# Altium PCB kondratchenko_telemetry_board.PcbDoc (part 1 of 2) (continued)
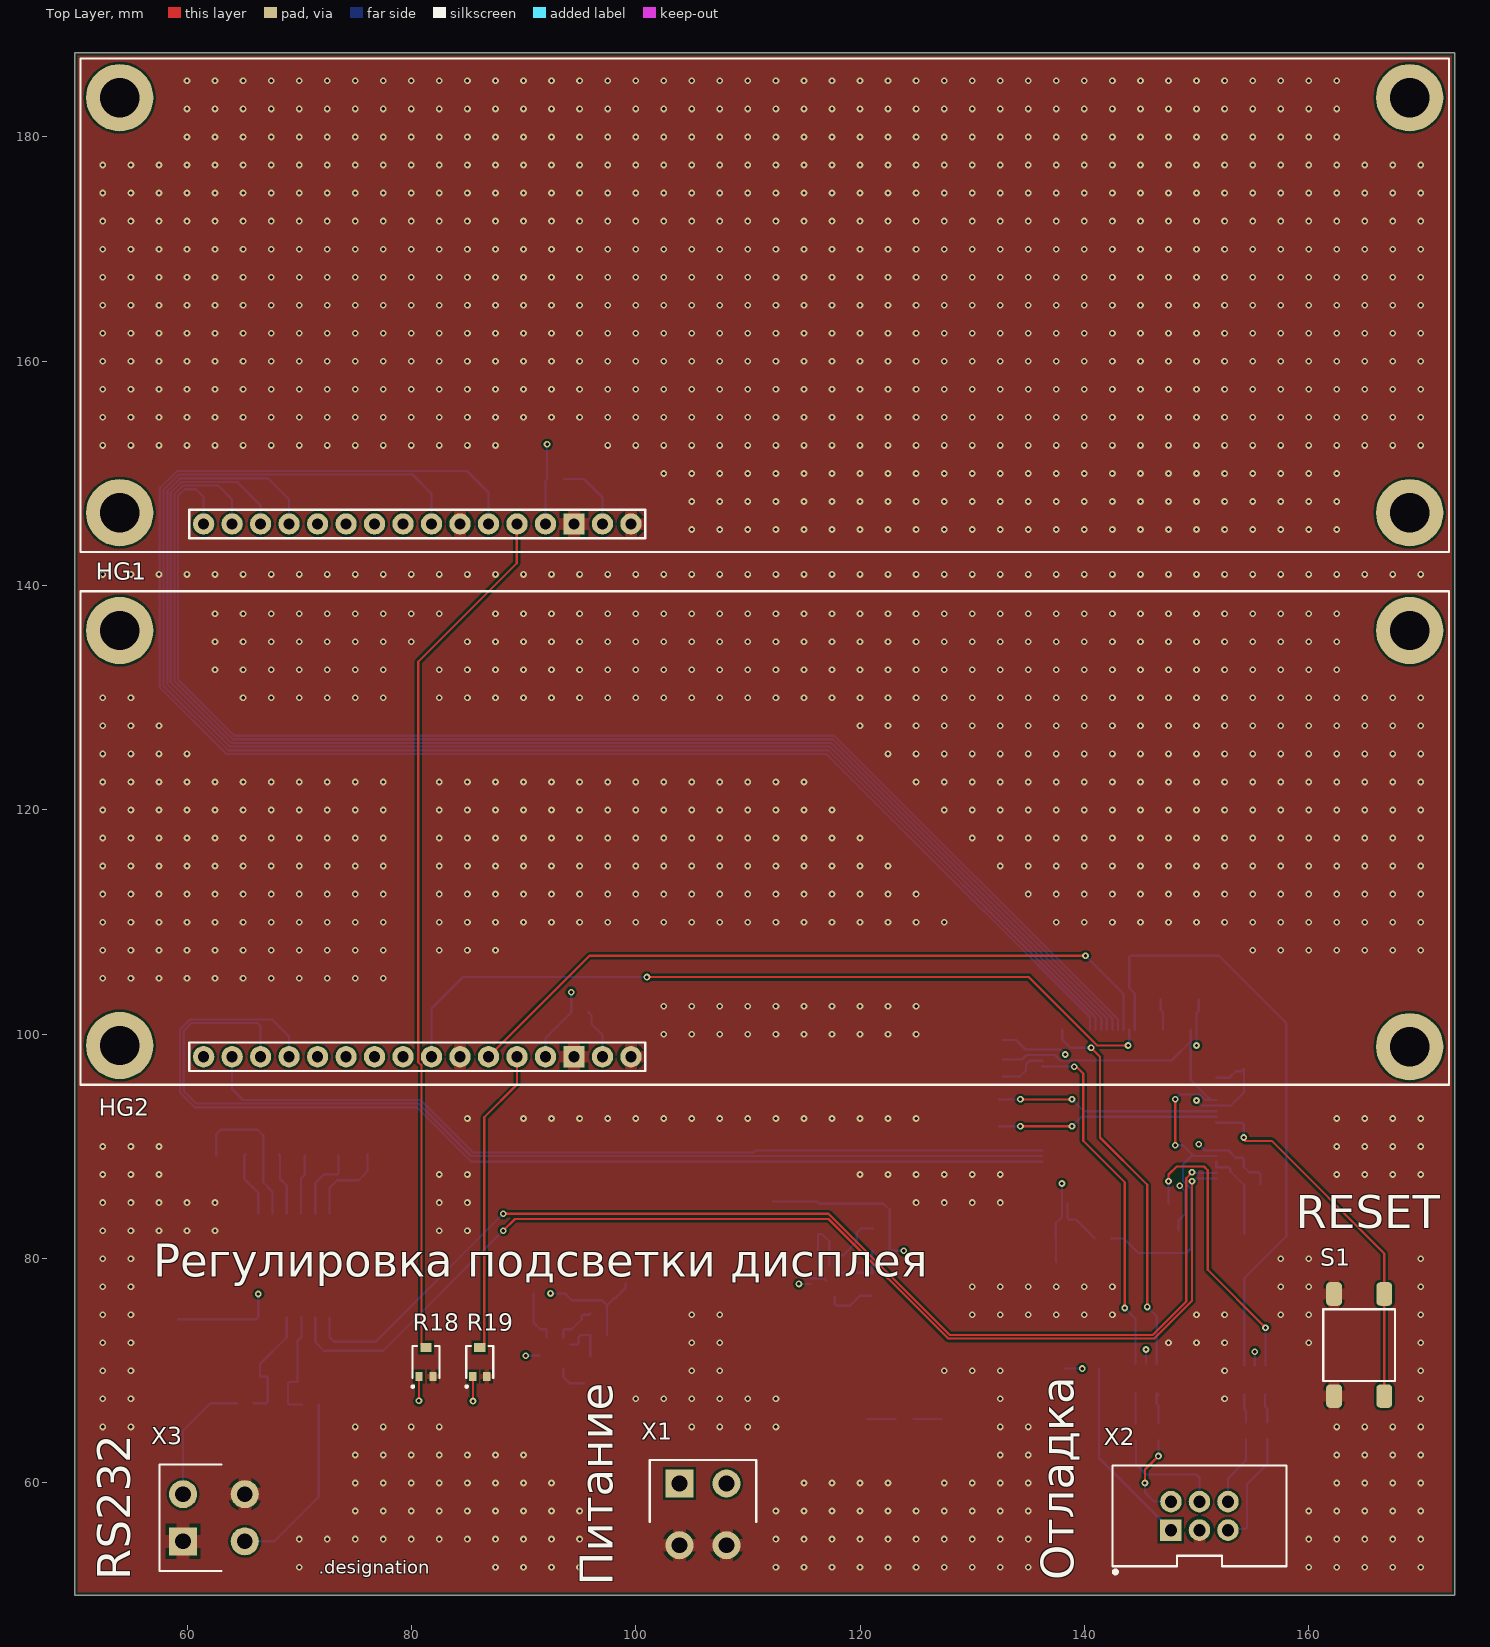
[diagram p0: Top Layer view]
## Design rules (kind name [scope] priority, off if disabled: settings)
AcuteAngle min_acute_angle [OnCopper] p1: minimum=3.50000000000000E+0001 checktracksonly=FALSE // Минимальный угол между примитивами топологии
BoardOutlineClearance board_outline_clearance_std [NOT (OnLayer('Bottom Overlay') OR OnLayer('Top Overlay'))] p1: gap=0.25 ignorepadtopadclearanceinfootprint=FALSE except(0: Arc-SplitContinuation Track-SplitContinuation SMDPad-SplitContinuation THPad-SplitContinuation Via-SplitContinuation Fill-SplitContinuation Poly-SplitContinuation Region-SplitContinuation Text-SplitContinuation) // Отступ элементов топологии от края фрезеруемой печатной платы
Clearance clearance_outer_18um_std [OnTopLayer OR OnBottomLayer] p1: gap=0.125 ignorepadtopadclearanceinfootprint=TRUE except(0.2: Arc-Fill Arc-Poly Track-Fill Track-Poly SMDPad-SMDPad SMDPad-Fill SMDPad-Poly THPad-Fill THPad-Poly Via-Fill Via-Poly Fill-Fill Fill-Poly Poly-Poly Poly-Region Poly-Text; 0.25: Arc-Hole Track-Hole SMDPad-Hole THPad-Hole Via-Hole Fill-Hole Poly-Hole Region-Hole Text-Hole) // Зазоры на внешних слоях
Clearance clearance_inner_18um_std [NOT (OnTopLayer Or OnBottomLayer)] p2: gap=0.125 ignorepadtopadclearanceinfootprint=FALSE except(0.2: Arc-Fill Arc-Poly Track-Fill Track-Poly SMDPad-SMDPad SMDPad-Fill SMDPad-Poly THPad-Fill THPad-Poly Via-Fill Via-Poly Fill-Fill Fill-Poly Poly-Poly Poly-Region Poly-Text; 0.25: Arc-Hole Track-Hole SMDPad-Hole THPad-Hole Via-Hole Fill-Hole Poly-Hole Region-Hole Text-Hole) // Зазоры на внутренних слоях
ComponentClearance [All] p1: gap=0 collisioncheckmode=3 verticalgap=0 showdistances=FALSE
DiffPairsRouting "Schematic Differential Pairs Routing_1" [InNet('UART_RX')] p1: maxlimit=0.254 minlimit=0.15 mostfreqgap=0.254 toplayer_prefgap=0.15 toplayer_minwidth=0.155 toplayer_maxwidth=0.381 toplayer_prefwidth=0.25 midlayer1_mingap=0.254 midlayer1_minwidth=0.381 midlayer1_maxwidth=0.381 midlayer1_prefwidth=0.381 midlayer2_mingap=0.254 midlayer2_minwidth=0.381 midlayer2_maxwidth=0.381 midlayer2_prefwidth=0.381 bottomlayer_prefgap=0.15 bottomlayer_minwidth=0.155 bottomlayer_maxwidth=0.381 bottomlayer_prefwidth=0.25 maxuncoupledlength=12.7
DiffPairsRouting diff_pairs_routing [All] p2: maxlimit=0.254 minlimit=0.127 mostfreqgap=0.254 toplayer_maxgap=0.127 toplayer_prefgap=0.127 toplayer_minwidth=0.143 toplayer_maxwidth=0.143 toplayer_prefwidth=0.143 midlayer1_minwidth=0.381 midlayer1_maxwidth=0.381 midlayer1_prefwidth=0.381 midlayer2_minwidth=0.381 midlayer2_maxwidth=0.381 midlayer2_prefwidth=0.381 bottomlayer_maxgap=0.127 bottomlayer_prefgap=0.127 bottomlayer_minwidth=0.143 bottomlayer_maxwidth=0.143 bottomlayer_prefwidth=0.143 impedanceprofiledriven=TRUE impedanceprofileid={FD46899E-B5A2-4EF5-A302-5D2DB6A51F35} maxuncoupledlength=12.7 // Правила трассировки дифференциальных пар
HoleSize min_hole_size_std [IsPad] p1: absolutevalues=TRUE maxlimit=5.9 minlimit=0.6 maxpercent=80.000 minpercent=20.000 // Диаметр межслойного переходного отверстия
HoleSize min_hole_size_via_std [IsVia] p2: absolutevalues=TRUE maxlimit=5.9 minlimit=0.3 maxpercent=80.000 minpercent=20.000 // Минимальный диаметр монтажного отверстия
HoleToHoleClearance hole_to_hole_clearance_std [All] p1: gap=0.2 allowstackedmicrovias=FALSE // Минимальное расстояние между краями двух отверстий
MinimumAnnularRing min_via_ar_std [All] p1: minimumring=0.15 // Поясок площадки переходного отверстия (Annular ring VIA)
MinimumAnnularRing min_pad_ar_std [All] p2: minimumring=0.2 // Поясок монтажной контактной площадки (Annular ring PAD)
MinimumSolderMaskSliver min_solder_mask_bridge_std [All] p1: minsoldermaskwidth=0.15 // Мнимальная ширина масочного мостика
PlaneClearance plane_clearance_18um_std [All] p1: clearance=0.2 // Отступ полигона (для слоя plane) от элементов топологии
PlaneConnect [All] p1: planeconnectstyle=Relief reliefexpansion=0.5 reliefentries=4 reliefconductorwidth=0.2 reliefairgap=0.2
PolygonConnect poly_connect_to_pad<=0.3 [(AsMM(PadXSize_AllLayers)<=0.301) or (AsMM(PadYSize_AllLayers)<=0.301)] p1: thpad.connectstyle=Relief thpad.reliefconductorwidth=0.2 thpad.reliefentries=4 thpad.polygonreliefangle="90 Angle" thpad.airgapwidth=0.2 smdpad.connectstyle=Relief smdpad.reliefconductorwidth=0.2 smdpad.reliefentries=4 smdpad.polygonreliefangle="90 Angle" smdpad.airgapwidth=0.2 via.connectstyle=Direct via.reliefconductorwidth=0.254 via.reliefentries=4 via.polygonreliefangle="90 Angle" via.airgapwidth=0.254 // Правила подключения полигонов для падов от 0,3мм и меньше
PolygonConnect poly_connect_to_pad<=0.4 [(AsMM(PadXSize_AllLayers)<=0.401) or (AsMM(PadYSize_AllLayers)<=0.401)] p2: thpad.connectstyle=Relief thpad.reliefconductorwidth=0.26 thpad.reliefentries=4 thpad.polygonreliefangle="90 Angle" thpad.airgapwidth=0.2 smdpad.connectstyle=Relief smdpad.reliefconductorwidth=0.26 smdpad.reliefentries=4 smdpad.polygonreliefangle="90 Angle" smdpad.airgapwidth=0.2 via.connectstyle=Direct via.reliefconductorwidth=0.254 via.reliefentries=4 via.polygonreliefangle="90 Angle" via.airgapwidth=0.254 // Правила подключения полигонов для падов от 0,4 и меньше
PolygonConnect poly_connect_to_pad<=0.6 [(AsMM(PadXSize_AllLayers)<=0.601) or (AsMM(PadYSize_AllLayers)<=0.601)] p3: thpad.connectstyle=Relief thpad.reliefconductorwidth=0.33 thpad.reliefentries=4 thpad.polygonreliefangle="90 Angle" thpad.airgapwidth=0.2 smdpad.connectstyle=Relief smdpad.reliefconductorwidth=0.33 smdpad.reliefentries=4 smdpad.polygonreliefangle="90 Angle" smdpad.airgapwidth=0.2 via.connectstyle=Direct via.reliefconductorwidth=0.254 via.reliefentries=4 via.polygonreliefangle="90 Angle" via.airgapwidth=0.254 // Правила подключения полигонов для падов от 0,6мм и меньше
PolygonConnect poly_connect_to_pad<=0.7 [(AsMM(PadXSize_AllLayers)<=0.701) or (AsMM(PadYSize_AllLayers)<=0.701)] p4: thpad.connectstyle=Relief thpad.reliefconductorwidth=0.46 thpad.reliefentries=4 thpad.polygonreliefangle="90 Angle" thpad.airgapwidth=0.2 smdpad.connectstyle=Relief smdpad.reliefconductorwidth=0.46 smdpad.reliefentries=4 smdpad.polygonreliefangle="90 Angle" smdpad.airgapwidth=0.2 via.connectstyle=Direct via.reliefconductorwidth=0.254 via.reliefentries=4 via.polygonreliefangle="90 Angle" via.airgapwidth=0.254 // Правила подключения полигонов для падов от 0,7мм и меньше
PolygonConnect poly_connect_to_pad<=0.8 [(AsMM(PadXSize_AllLayers)<=0.8)or(AsMM(PadYSize_AllLayers)<=0.8)] p5: thpad.connectstyle=Relief thpad.reliefconductorwidth=0.53 thpad.reliefentries=4 thpad.polygonreliefangle="90 Angle" thpad.airgapwidth=0.3 smdpad.connectstyle=Relief smdpad.reliefconductorwidth=0.53 smdpad.reliefentries=4 smdpad.polygonreliefangle="90 Angle" smdpad.airgapwidth=0.2 via.connectstyle=Direct via.reliefconductorwidth=0.254 via.reliefentries=4 via.polygonreliefangle="90 Angle" via.airgapwidth=0.254 // Правила подключения полигонов для падов от 0,8мм и меньше
PolygonConnect poly_connect_to_pad<=1 [(AsMM(PadXSize_AllLayers)<=1.01)or(AsMM(PadYSize_AllLayers)<=1.01)] p6: thpad.connectstyle=Relief thpad.reliefconductorwidth=0.6 thpad.reliefentries=4 thpad.polygonreliefangle="90 Angle" thpad.airgapwidth=0.3 smdpad.connectstyle=Relief smdpad.reliefconductorwidth=0.6 smdpad.reliefentries=4 smdpad.polygonreliefangle="90 Angle" smdpad.airgapwidth=0.2 via.connectstyle=Direct via.reliefconductorwidth=0.254 via.reliefentries=4 via.polygonreliefangle="90 Angle" via.airgapwidth=0.254 // Правила подключения полигонов для падов от 1мм и меньше
PolygonConnect poly_connect_to_pad<=1.3 [(AsMM(PadXSize_AllLayers)<=1.31)or(AsMM(PadYSize_AllLayers)<=1.31)] p7: thpad.connectstyle=Relief thpad.reliefconductorwidth=0.66 thpad.reliefentries=4 thpad.polygonreliefangle="90 Angle" thpad.airgapwidth=0.3 smdpad.connectstyle=Relief smdpad.reliefconductorwidth=0.86 smdpad.reliefentries=4 smdpad.polygonreliefangle="90 Angle" smdpad.airgapwidth=0.2 via.connectstyle=Direct via.reliefconductorwidth=0.254 via.reliefentries=4 via.polygonreliefangle="90 Angle" via.airgapwidth=0.254 // Правила подключения полигонов для падов от 1,3мм и меньше
PolygonConnect poly_connect_to_pad<=1.6 [(AsMM(PadXSize_AllLayers)<=1.61)or(AsMM(PadYSize_AllLayers)<=1.61)] p8: thpad.connectstyle=Relief thpad.reliefconductorwidth=0.8 thpad.reliefentries=4 thpad.polygonreliefangle="90 Angle" thpad.airgapwidth=0.3 smdpad.connectstyle=Relief smdpad.reliefconductorwidth=1 smdpad.reliefentries=4 smdpad.polygonreliefangle="90 Angle" smdpad.airgapwidth=0.2 via.connectstyle=Direct via.reliefconductorwidth=0.254 via.reliefentries=4 via.polygonreliefangle="90 Angle" via.airgapwidth=0.254 // Правила подключения полигонов для падов от 1,6мм и меньше
PolygonConnect poly_connect_to_pad<=1.8 [(AsMM(PadXSize_AllLayers)<=1.8)or(AsMM(PadYSize_AllLayers)<=1.8)] p9: thpad.connectstyle=Relief thpad.reliefconductorwidth=1 thpad.reliefentries=4 thpad.polygonreliefangle="90 Angle" thpad.airgapwidth=0.3 smdpad.connectstyle=Relief smdpad.reliefconductorwidth=1.2 smdpad.reliefentries=4 smdpad.polygonreliefangle="90 Angle" smdpad.airgapwidth=0.2 via.connectstyle=Direct via.reliefconductorwidth=0.254 via.reliefentries=4 via.polygonreliefangle="90 Angle" via.airgapwidth=0.254 // Правила подключения полигонов для падов от 1,8мм и меньше
PolygonConnect poly_connect_to_pad<=2 [(AsMM(PadXSize_AllLayers)<=2.01)or(AsMM(PadYSize_AllLayers)<=2.01)] p10: thpad.connectstyle=Relief thpad.reliefconductorwidth=1.1 thpad.reliefentries=4 thpad.polygonreliefangle="90 Angle" thpad.airgapwidth=0.3 smdpad.connectstyle=Relief smdpad.reliefconductorwidth=1.4 smdpad.reliefentries=4 smdpad.polygonreliefangle="90 Angle" smdpad.airgapwidth=0.2 via.connectstyle=Direct via.reliefconductorwidth=0.254 via.reliefentries=4 via.polygonreliefangle="90 Angle" via.airgapwidth=0.254 // Правила подключения полигонов для падов от 2мм и меньше
PolygonConnect poly_connect_to_pad<=2.3 [(AsMM(PadXSize_AllLayers)<=2.31)or(AsMM(PadYSize_AllLayers)<=2.31)] p11: thpad.connectstyle=Relief thpad.reliefconductorwidth=1.2 thpad.reliefentries=4 thpad.polygonreliefangle="90 Angle" thpad.airgapwidth=0.3 smdpad.connectstyle=Relief smdpad.reliefconductorwidth=1.4 smdpad.reliefentries=4 smdpad.polygonreliefangle="90 Angle" smdpad.airgapwidth=0.2 via.connectstyle=Direct via.reliefconductorwidth=0.254 via.reliefentries=4 via.polygonreliefangle="90 Angle" via.airgapwidth=0.254 // Правила подключения полигонов для падов от 2,3мм и меньше
PolygonConnect poly_connect_to_pad<=2.5 [(AsMM(PadXSize_AllLayers)<=2.51)or(AsMM(PadYSize_AllLayers)<=2.51)] p12: thpad.connectstyle=Relief thpad.reliefconductorwidth=1.2 thpad.reliefentries=4 thpad.polygonreliefangle="90 Angle" thpad.airgapwidth=0.3 smdpad.connectstyle=Relief smdpad.reliefconductorwidth=1.4 smdpad.reliefentries=4 smdpad.polygonreliefangle="90 Angle" smdpad.airgapwidth=0.2 via.connectstyle=Direct via.reliefconductorwidth=0.254 via.reliefentries=4 via.polygonreliefangle="90 Angle" via.airgapwidth=0.254 // Правила подключения полигонов для падов от 2,5мм и меньше
PolygonConnect poly_connect_to_pad<=2.7 [(AsMM(PadXSize_AllLayers)<=2.71)or(AsMM(PadYSize_AllLayers)<=2.71)] p13: thpad.connectstyle=Relief thpad.reliefconductorwidth=1.4 thpad.reliefentries=4 thpad.polygonreliefangle="90 Angle" thpad.airgapwidth=0.3 smdpad.connectstyle=Relief smdpad.reliefconductorwidth=1.6 smdpad.reliefentries=4 smdpad.polygonreliefangle="90 Angle" smdpad.airgapwidth=0.2 via.connectstyle=Direct via.reliefconductorwidth=0.254 via.reliefentries=4 via.polygonreliefangle="90 Angle" via.airgapwidth=0.254 // Правила подключения полигонов для падов от 2,7мм и меньше
PolygonConnect poly_connect_to_pad<=3 [(AsMM(PadXSize_AllLayers)<=3.01)or(AsMM(PadYSize_AllLayers)<=3.01)] p14: thpad.connectstyle=Relief thpad.reliefconductorwidth=1.6 thpad.reliefentries=4 thpad.polygonreliefangle="90 Angle" thpad.airgapwidth=0.3 smdpad.connectstyle=Relief smdpad.reliefconductorwidth=1.8 smdpad.reliefentries=4 smdpad.polygonreliefangle="90 Angle" smdpad.airgapwidth=0.2 via.connectstyle=Direct via.reliefconductorwidth=0.254 via.reliefentries=4 via.polygonreliefangle="90 Angle" via.airgapwidth=0.254 // Правила подключения полигонов для падов от 3мм и меньше
PolygonConnect poly_connect_to_pad<=7 [(AsMM(PadXSize_AllLayers)<7.01)or(AsMM(PadYSize_AllLayers)<=7.01)] p15: thpad.connectstyle=Relief thpad.reliefconductorwidth=2 thpad.reliefentries=4 thpad.polygonreliefangle="90 Angle" thpad.airgapwidth=0.4 smdpad.connectstyle=Relief smdpad.reliefconductorwidth=2 smdpad.reliefentries=4 smdpad.polygonreliefangle="90 Angle" smdpad.airgapwidth=0.3 via.connectstyle=Direct via.reliefconductorwidth=0.254 via.reliefentries=4 via.polygonreliefangle="90 Angle" via.airgapwidth=0.254 // Правила подключения полигонов для падов от 7мм и меньше
PolygonConnect poly_connect_to_pad [All] p16: thpad.connectstyle=Relief thpad.reliefconductorwidth=0.25 thpad.reliefentries=4 thpad.polygonreliefangle="90 Angle" thpad.airgapwidth=0.2 smdpad.connectstyle=Relief smdpad.reliefconductorwidth=0.25 smdpad.reliefentries=4 smdpad.polygonreliefangle="90 Angle" smdpad.airgapwidth=0.2 via.connectstyle=Direct via.reliefconductorwidth=0.25 via.reliefentries=4 via.polygonreliefangle="90 Angle" via.airgapwidth=0.2 // Правила подключения полигонов общие
RoomDefinition kondratchenko_telemetry_board [InComponentClass('kondratchenko_telemetry_board')] p1: confinementstyle=ConfineIn formatcopy=TRUE lockcomponents=FALSE outline 0,0 50.8,0 50.8,25.4 0,25.4
RoutingCorners [All] p1 off: cornerstyle=45-Degree minsetback=2.5 maxsetback=2.5
RoutingVias [All] p1: holewidth=0.3 width=0.6 viastyle="Through Hole" minholewidth=0.3 minwidth=0.6 maxholewidth=5.9 maxwidth=6.4
SilkToSilkClearance silk_to_silk_clearance_std [All] p1 off: silktosilkclearance=0.15 // Отступ текста шелкографии от других примитивов шелкографии
SilkToSolderMaskClearance silk_to_solder_mask_clearance_std [IsPad] p1 off: minsilkscreentomaskgap=0.15 clearancetoexposedcopper=FALSE // Минимальное расстояние между элементами шелкографии и вскрытой медью
SolderMaskExpansion solder_mask_expansion_std [All] p1: expansion=0.05 // Припуск паяльной масски
UnRoutedNet [All] p1: checkbadconnections=TRUE
Width width_18um_std [All] p1: maxlimit=10 minlimit=0.125 preferedwidth=0.15 checkconnectedcopper=TRUE // Ширина проводников (общая)
19 further rules are at their usual default settings.

## Components (designator, comment, footprint, x,y, rotation, side; value= is the part's Value field where it differs from the comment)
BQ1 "CSTNE8M00G520000R0" CSTCE-3-P120-320X130X70 132.4,93 r90 bottom
C1 "2,2 мк" C0603 114,70.7 r180 bottom
C2 "1 мк" C3216-18 66.7,89.3 r0 bottom
C3 "0,1 мк" C0603 114,72.7 r180 bottom
C4 "1 мк" C3216-18 72,89.2 r0 bottom
C5 "20" C0603 121.75,76.7 r0 bottom
C6 "1 мк" C3216-18 61.1,89.2 r180 bottom
C7 "1 мк" C3216-18 77.6,89.3 r0 bottom
C8 "0,1 мк" C3216-18 59.2,76.1 r90 bottom
C9 "1 мк" C3216-18 62.9,76.1 r90 bottom
C10 "22 мк" C1206 112.2,83.6 r270 bottom
C11 "2,2 мк" C0603 90.6,65.1 r180 bottom
C12 "0,1 мк" C0603 90.55,67.4 r180 bottom
C13 "0,1 мк" C0603 154.95,92 r180 bottom
C14 "20" C0603 96.15,68.9 r0 bottom
C15 "22 мк" C1206 97.6,77.8 r0 bottom
C16 "4,7 мк" C0603 136.75,79.7 r180 bottom
C17 "0,1 мк" C0603 132.7,100.25 r90 bottom
C18 "0,1 мк" C0603 136.7,81.9 r180 bottom
C19 "0,1 мк" C0603 154.95,88.9 r0 bottom
C20 "0,1 мк" C0603 155,94.9 r0 bottom
C21 "1 мк" C0603 155,84.4 r0 bottom
C22 "0,1 мк" C0603 147.65,82.5 r180 bottom
C23 "0,1 мк" C0603 150.2,103.85 r90 bottom
C24 "1 мк" C0603 154.95,96.9 r0 bottom
C25 "0,1 мк" C0603 155,82.2 r0 bottom
C26 "2,2 мк" C0603 132.7,97 r90 bottom
C27 "2,2 мк" C0603 141.65,81.8 r0 bottom
DD1 "MAX232DW" SOIC-16-P127-1030X750X265-L84X41 70.8,79.4 r270 bottom
DD2 "TLV62130ARGTT" WQFN-16-P50-300X300X100-L40X24-T168X168 117,78 r270 bottom
DD3 "STM32F429VIT6" LQFP-100-P50-1400X1400X160-L60X22 144,92.65 r180 bottom
DD4 "TLV62130ARGTT" WQFN-16-P50-300X300X100-L40X24-T168X168 92.8,71.6 r270 bottom
HG1 "JHD162G B/W" "JHD162G B/W" 112.5,165 r0 top
HG2 "JHD162G B/W" "JHD162G B/W" 112.5,117.5 r0 top
HL1 "TLMS1000-GS08" HL0603 124,65.7 r0 bottom
L1 "XFL4020-222MEC" XFL-2-400X400X210 116.3,83.6 r90 bottom
L2 "XFL4020-222MEC" XFL-2-400X400X210 92.3,76.9 r0 bottom
L3 "FCM1608KF-601T03" FCM-2-0603 154.96,86.6 r180 bottom
R1 "750" R0603 128,65.7 r180 bottom
R2 "22" R0603 65.2,67.1 r0 bottom
R3 "10 к" R0603 140.55,67.3 r180 bottom
R4 "22" R0603 71,67 r180 bottom
R5 "22" R0603 146.6,64.55 r90 bottom
R6 "22" R0603 144.6,64.55 r90 bottom
R7 "22" R0603 156.3,64.65 r90 bottom
R8 "22" R0603 154.4,64.65 r270 bottom
R9 "100 к" R0603 121.9,82.7 r0 bottom
R10 "910 к" R0603 121.9,80.7 r0 bottom
R11 "180 к" R0603 121.85,78.7 r180 bottom
R12 "10 к" R0603 146.8,103.9 r270 bottom
R13 "100 к" R0603 96.7,75.1 r0 bottom
R14 "910 к" R0603 96.7,73.2 r0 bottom
R15 "180 к" R0603 96.7,71.3 r180 bottom
R16 "560" R0603 95,102 r0 bottom
R17 "560" R0603 92.85,149.5 r0 bottom
R18 "10к" R3362 81.3,70.8 r90 top
R19 "10к" R3362 86.1,70.8 r90 top
S1 "FSM4JSMA" FSM4JSMA 164.5,72.3 r270 top
VD1 "SD12C-01FTG" SOD-323-257X130X114 65.35,69.5 r180 bottom
VD2 "SD12C-01FTG" SOD-323-257X130X114 71,69 r0 bottom
VD3 "MBR0530T1G" SOD-123-368X160X135 119,65.7 r0 bottom
VD4 "1.5SMC62CA" DO-214AB-790X590X262 120,71.7 r180 bottom
VD5 "MBR140SFT1G" SOD-123FL-370X165X98 139.8,70.2 r180 bottom
VD6 "TPD2S017DBVR" SOT-23-6-P95-290X280X145 145.5,69.3 r90 bottom
VD7 "TPD2S017DBVR" SOT-23-6-P95-290X280X145 155.2,69.2 r90 bottom
X1 "4-1775099-0" 4-1775099-0 106,57.3 r0 top
X2 "DS1013-06SSiB1-B-0" DS1013-06SSiB1-B-0 150.26,57.07 r0 top
X3 "4-1775099-0" 4-1775099-0 62.3,56.9 r90 top

## Footprints (in the part's own frame and the unit in brackets; to place one, negate y for a bottom-side part, rotate by r counter-clockwise, add the part's x,y. Pads: shape width x height; smd on the part's side, far side on the other; paste and mask are expansions set on the pad)
4-1775099-0 [mm] "ATX Power 4 Pins Mount Header, V/A Type"
  rect 2.5x2.5 hole 1.4: 1(-2.1,2.65)
  round 2.5 hole 1.4: 2(2.1,2.65) 3(-2.1,-2.85) 4(2.1,-2.85)
  silkscreen extent -4.75,-0.75 4.75,4.75, body extent -5.1,-6.1 4.75,4.8, height 12.8
C0603 [mm] "Chip Capacitor, 2-Leads, Body 1,60x0,80mm, IPC Medium Density"
  rrect50% 0.8x0.9 smd: 1(-0.75,0) 2(0.75,0)
  silkscreen extent -1.45,-0.75 1.45,0.75, body extent -0.8,-0.4 0.8,0.4, height 0.8
C1206 [mm] "Chip Capacitor, 2-Leads, Body 3,20x1,60mm, IPC Medium Density"
  rrect50% 1x1.8 smd: 1(-1.5,0) 2(1.5,0)
  silkscreen extent -2.3,-1.2 2.3,1.2, body extent -1.6,-0.8 1.6,0.8, height 0.78
C3216-18 [mm] "Chip Tantalum Capacitor, 2-Leads, Body 3,20x1,60mm, IPC Medium Density"
  rrect50% 1.3x2.1 smd: 1(-1.5,0) 2(1.5,0)
  silkscreen extent -2.8,-1.35 2.45,1.7, body extent -1.7,-0.95 1.7,0.95, height 1.83
CSTCE-3-P120-320X130X70 [mm] "Ceramic Chip Oscillator, Body 3,20x1,30mm, 3-Leads, Pitch 1,20mm"
  rrect25% 0.5x2 smd paste-0.025 mask+0.1: 1(-1.2,0) 2(0,0) 3(1.2,0)
  silkscreen extent -1.68,-0.7 1.67,0.7, body extent -1.6,-0.65 1.6,0.65, height 0.8
DO-214AB-790X590X262 [mm] "Molded Diode, 2-Leads, Body 7,90x5,90mm, IPC Medium Density"
  rect 2.5x3.2 smd: 1(-2.8,0) 2(2.8,0)
  silkscreen extent -4.23,-3 3.5,3, body extent -3.95,-2.95 3.95,2.95, height 2.59
DS1013-06SSiB1-B-0 [mm] "BH 6 pins 2,54mm Plug Header V/T Type"
  rect 1.92x1.92 hole 1.1: 1(-2.54,-1.27)
  round 1.92 hole 1.1: 2(-2.54,1.27) 3(0,-1.27) 4(0,1.27) 5(2.54,-1.27) 6(2.54,1.27)
  silkscreen extent -7.75,-5.01 7.75,4.5, body extent -7.71,-4.4 7.71,4.4, height 9
FCM-2-0603 [mm] "Chip Ferrite Bead, 2-Leads, Body 1,60x0,80mm, IPC Medium Density"
  rect 1.02x0.98 smd: 1(-0.74,0) 2(0.74,0)
  silkscreen extent -1.5,-0.75 1.5,0.75, body extent -0.8,-0.38 0.8,0.38, height 0.8
FSM4JSMA [mm]
  rrect50% 2.1x1.4 smd: 1(-4.55,2.24) 1(4.55,2.24) 2(-4.55,-2.24) 2(4.55,-2.24)
  silkscreen extent -3.2,-3.2 3.2,3.2, body extent -5,-3 5,3, height 5.13
HL0603 [mm] "Chip Resistor, 2-Leads, Body 1,60x0,80mm, IPC Medium Density"
  rrect25% 0.7x0.9 smd: 1(-0.8,0) 2(0.8,0)
  silkscreen extent -1.5,-0.75 1.5,0.75, body extent -0.81,-0.4 0.81,0.4, height 0.64
"JHD162G B/W" [mm] "LCD Display 16x2 Characters Blue/White"
  rect 1.9x1.9 hole 1: 1(-18,-19.5)
  round 1.9 hole 1: 2(-20.54,-19.5) 3(-23.08,-19.5)
  round 1.9 hole 1 mask+0.102: 4(-25.62,-19.5) 5(-28.16,-19.5) 6(-30.7,-19.5) 7(-33.24,-19.5) 8(-35.78,-19.5) 9(-38.32,-19.5) 10(-40.86,-19.5) 11(-43.4,-19.5) 12(-45.94,-19.5) 13(-48.48,-19.5) 14(-51.02,-19.5) 15(-15.46,-19.5) 16(-12.92,-19.5)
  silkscreen extent -62,-22 60,22, body extent -62,-22 60,22, height 9.7
LQFP-100-P50-1400X1400X160-L60X22 [mm] "LQFP, 100-Leads, Body 14,00x14,00mm, Pitch 0,50mm, IPC Medium Density"
  rect 1.2x0.25 smd: 1(-7.75,6)
  rrect50% 1.2x0.25 smd: 2(-7.75,5.5) 3(-7.75,5) 4(-7.75,4.5) 5(-7.75,4) 6(-7.75,3.5) 7(-7.75,3) 8(-7.75,2.5) 9(-7.75,2) 10(-7.75,1.5) 11(-7.75,1) 12(-7.75,0.5) 13(-7.75,0) 14(-7.75,-0.5) 15(-7.75,-1) 16(-7.75,-1.5) 17(-7.75,-2) 18(-7.75,-2.5) 19(-7.75,-3) 20(-7.75,-3.5) 21(-7.75,-4) 22(-7.75,-4.5) 23(-7.75,-5) 24(-7.75,-5.5) 25(-7.75,-6) 51(7.75,-6) 52(7.75,-5.5) 53(7.75,-5) 54(7.75,-4.5) 55(7.75,-4) 56(7.75,-3.5) 57(7.75,-3) 58(7.75,-2.5) 59(7.75,-2) 60(7.75,-1.5) 61(7.75,-1) 62(7.75,-0.5) 63(7.75,0) 64(7.75,0.5) 65(7.75,1) 66(7.75,1.5) 67(7.75,2) 68(7.75,2.5) 69(7.75,3) 70(7.75,3.5) 71(7.75,4) 72(7.75,4.5) 73(7.75,5) 74(7.75,5.5) 75(7.75,6)
  rrect50% 0.25x1.2 smd: 26(-6,-7.75) 27(-5.5,-7.75) 28(-5,-7.75) 29(-4.5,-7.75) 30(-4,-7.75) 31(-3.5,-7.75) 32(-3,-7.75) 33(-2.5,-7.75) 34(-2,-7.75) 35(-1.5,-7.75) 36(-1,-7.75) 37(-0.5,-7.75) 38(0,-7.75) 39(0.5,-7.75) 40(1,-7.75) 41(1.5,-7.75) 42(2,-7.75) 43(2.5,-7.75) 44(3,-7.75) 45(3.5,-7.75) 46(4,-7.75) 47(4.5,-7.75) 48(5,-7.75) 49(5.5,-7.75) 50(6,-7.75) 76(6,7.75) 77(5.5,7.75) 78(5,7.75) 79(4.5,7.75) 80(4,7.75) 81(3.5,7.75) 82(3,7.75) 83(2.5,7.75) 84(2,7.75) 85(1.5,7.75) 86(1,7.75) 87(0.5,7.75) 88(0,7.75) 89(-0.5,7.75) 90(-1,7.75) 91(-1.5,7.75) 92(-2,7.75) 93(-2.5,7.75) 94(-3,7.75) 95(-3.5,7.75) 96(-4,7.75) 97(-4.5,7.75) 98(-5,7.75) 99(-5.5,7.75) 100(-6,7.75)
  silkscreen extent -9.6,-8.7 8.7,8.7, body extent -8,-8 8,8, height 1.6
R0603 [mm] "Chip Resistor, 2-Leads, Body 1,60x0,80mm, IPC Medium Density"
  rect 0.8x0.9 smd: 1(-0.75,0) 2(0.75,0)
  silkscreen extent -1.45,-0.75 1.45,0.75, body extent -0.77,-0.43 0.78,0.43, height 0.43
R3362 [mm]
  rect 0.8x0.65 smd: 1(-1.3,0.625) 3(-1.3,-0.625)
  rect 0.8x1 smd: 2(1.3,0)
  silkscreen extent -2.3,-1.2 1.42,1.27, body extent -1.41,-1.2 1.42,1.2, height 1.72
SOD-123-368X160X135 [mm] "SOD, 2-Leads, Body 3,68x1,60mm, IPC Medium Density"
  rect 0.9x0.9 smd: 1(-1.65,0) 2(1.65,0)
  silkscreen extent -1.87,-0.9 1.4,0.9, body extent -1.82,-0.77 1.83,0.78, height 1.5
SOD-123FL-370X165X98 [mm] "SODFL, 2-Leads, Body 3,70x1,65mm, IPC Medium Density"
  rect 1.1x1 smd: 1(-1.5,0) 2(1.5,0)
  silkscreen extent -1.87,-0.9 1.4,0.9, body extent -1.8,-0.82 1.8,0.83, height 0.95
SOD-323-257X130X114 [mm] "SOD, 2-Leads, Body 2,57x1,30mm, IPC Medium Density"
  rect 0.5x0.5 smd: 1(-1.15,0) 2(1.15,0)
  silkscreen extent -1.55,-0.75 0.95,0.75, body extent -1.3,-0.67 1.3,0.68, height 1.1
SOIC-16-P127-1030X750X265-L84X41 [mm] "SOIC, 16-Leads, Body 10,30x7,50mm, Pitch 1,27mm, IPC Medium Density"
  rect 2x0.6 smd: 1(-4.65,4.445)
  rrect50% 2x0.6 smd: 2(-4.65,3.175) 3(-4.65,1.905) 4(-4.65,0.635) 5(-4.65,-0.635) 6(-4.65,-1.905) 7(-4.65,-3.175) 8(-4.65,-4.445) 9(4.65,-4.445) 10(4.65,-3.175) 11(4.65,-1.905) 12(4.65,-0.635) 13(4.65,0.635) 14(4.65,1.905) 15(4.65,3.175) 16(4.65,4.445)
  silkscreen extent -5.75,-5.25 3.4,5.32, body extent -5.24,-5.17 5.24,5.18, height 2.65
SOT-23-6-P95-290X280X145 [mm] "SOT-23, 6-Leads, Body 2,90x2,80mm, Pitch 0,95mm, IPC Medium Density"
  rect 1x0.6 smd: 1(-1.3,0.95)
  rrect50% 1x0.6 smd: 2(-1.3,0) 3(-1.3,-0.95) 4(1.3,-0.95) 5(1.3,0) 6(1.3,0.95)
  silkscreen extent -1.52,-1.55 0.5,1.9, body extent -1.4,-1.45 1.4,1.45, height 1.45
WQFN-16-P50-300X300X100-L40X24-T168X168 [mm] "WQFN, 16-Leads, Body 3,00x3,00mm, Pitch 0,50mm, Thermal Pad 1,68x1,68mm, IPC Medium Density"
  rect 1.66x1.66 smd: 0(0,0)
  rect 0.6x0.24 smd: 1(-1.4,0.75)
  rrect50% 0.6x0.24 smd: 2(-1.4,0.25) 3(-1.4,-0.25) 4(-1.4,-0.75) 9(1.4,-0.75) 10(1.4,-0.25) 11(1.4,0.25) 12(1.4,0.75)
  rrect50% 0.24x0.6 smd: 5(-0.75,-1.4) 6(-0.25,-1.4) 7(0.25,-1.4) 8(0.75,-1.4) 13(0.75,1.4) 14(0.25,1.4) 15(-0.25,1.4) 16(-0.75,1.4)
  silkscreen extent -2.42,-1.7 1.7,1.7, body extent -1.5,-1.5 1.5,1.5, height 0.8
XFL-2-400X400X210 [mm] "Chip Inductor, 2-Leads, Body 4,00x4,00mm, IPC Medium Density"
  rect 1.5x4 smd: 1(-1.4,0) 2(1.4,0)
  silkscreen extent -2.35,-2.2 2.35,2.2, body extent -2.15,-2.15 2.15,2.15, height 2.1

## Part data
BQ1: library part bq0001, "=Описание", HelpURL=https://www.murata.com/products/productdetail?partno=CSTNE8M00G520000R0, ID=bq0001, Корпус="3,20 x 1,30 x 0,70", Наименование=CSTNE8M00G520000R0, Описание="Керамический резонатор 8 МГц со встроенными конденсаторами", Производитель="Murata Manufacturing Co., Ltd.", Фамилия=Игнатова, Частотa="8 МГц", Частота="8 МГц"
C1 C11: library part c0126, "=Описание", HelpURL=https://www.yageo.com/upload/media/product/productsearch/datasheet/mlcc/UPY-GPHC_X7R_6.3V-to-50V_20.pdf, ID=c0126, Корпус=0603, Наименование=CC0603KRX7R7BB225, Напряжение="16 В", Номинал="2,2 мк", Номинальное напряжение="16 В", Описание="Конденсатор керамический чип 0603 2,2 мкФ 16 В ±10 %", Отклонение="±10 %", Производитель="YAGEO Corp.", Рабочие температуры="от –55 °С до +125 °С", Температурный коэффициент емкости=X7R, Фамилия=Паньков
C2 C4 C6 C7 C8 C9: library part c0014, "=Описание", HelpURL=https://www.vishay.com/capacitors/list/product-40002/, ID=c0014, Корпус=3216-18, Наименование=293D105X9025A2TE3, Напряжение="25 В", Номинал="1 мк", Номинальное напряжение="25 В", Описание="Конденсатор танталовый чип 3216-18 1 мкФ 25 В ±10 %", Отклонение="±10 %", Производитель="Vishay Intertechnology, Inc.", Рабочие температуры="от –55 °С до +125 °С", Среднеквадратичный размах пульсации тока="0,10 А", Фамилия=Ларионов, Эквивалентное последовательное сопротивление="7,6 Ом"
C3 C12: library part c0085, "=Описание", HelpURL=https://www.yageo.com/upload/media/product/productsearch/datasheet/mlcc/UPY-GPHC_X7R_6.3V-to-50V_20.pdf, ID=c0085, Корпус=0603, Наименование=CC0603KRX7R8BB104, Напряжение="25 В", Номинал="0,1 мк", Номинальное напряжение="25 В", Описание="Конденсатор керамический чип 0603 100 нФ 25 В ±10 %", Отклонение="±10 %", Производитель="YAGEO Corp.", Рабочие температуры="от –55 °С до +125 °С", Температурный коэффициент емкости=X7R, Фамилия=Паньков
C5 C14: library part c0021, "=Описание", HelpURL=https://www.yageo.com/upload/media/product/productsearch/datasheet/mlcc/UPY-GP_NP0_16V-to-50V_18.pdf, ID=c0021, Корпус=0603, Наименование=CC0603FRNPO9BN200, Напряжение="50 В", Номинал=20, Номинальное напряжение="50 В", Описание="Конденсатор керамический чип 0603 20 пФ 50 В ±1 %", Отклонение="±1 %", Производитель="YAGEO Corp.", Рабочие температуры="от –55 °С до +125 °С", Температурный коэффициент емкости=C0G, Фамилия=Паньков
C10 C15: library part c0159, "=Описание", HelpURL=https://www.yageo.com/upload/media/product/productsearch/datasheet/mlcc/UPY-GPHC_X5R_4V-to-50V_26.pdf, ID=c0159, Корпус=1206, Наименование=CC1206KKX5R6BB226, Напряжение="10 В", Номинал="22 мк", Номинальное напряжение="10 В", Описание="Конденсатор керамический чип 1206 22 мкФ 10 В ±10 %", Отклонение="±10 %", Производитель="YAGEO Corp.", Рабочие температуры="от –55 °С до +85 °С", Температурный коэффициент емкости=X5R, Фамилия=Паньков
C13 C17 C18 C19 C20 C22 C23 C25: library part c0087, "=Описание", HelpURL=https://www.yageo.com/upload/media/product/productsearch/datasheet/mlcc/UPY-GPHC_X7R_6.3V-to-50V_20.pdf, ID=c0087, Корпус=0603, Наименование=CC0603JRX7R9BB104, Напряжение="50 В", Номинал="0,1 мк", Номинальное напряжение="50 В", Описание="Конденсатор керамический чип 0603 100 нФ 50 В ±5 %", Отклонение="±5 %", Производитель="YAGEO Corp.", Рабочие температуры="от –55 °С до +125 °С", Температурный коэффициент емкости=X7R, Фамилия=Ларионов
C16: library part c0138, "=Описание", HelpURL=https://www.yageo.com/upload/media/product/productsearch/datasheet/mlcc/UPY-GPHC_X5R_4V-to-50V_26.pdf, ID=c0138, Корпус=0603, Наименование=CC0603KRX5R8BB475, Напряжение="25 В", Номинал="4,7 мк", Номинальное напряжение="25 В", Описание="Конденсатор керамический чип 0603 4,7 мкФ 25 В ±10 %", Отклонение="±10 %", Производитель="YAGEO Corp.", Рабочие температуры="от –55 °С до +85 °С", Температурный коэффициент емкости=X5R, Фамилия=Ларионов
C21 C24: library part c0117, "=Описание", HelpURL=https://www.yageo.com/upload/media/product/productsearch/datasheet/mlcc/UPY-GPHC_X7R_6.3V-to-50V_20.pdf, ID=c0117, Корпус=0603, Наименование=CC0603KRX7R8BB105, Напряжение="25 В", Номинал="1 мк", Номинальное напряжение="25 В", Описание="Конденсатор керамический чип 0603 1 мкФ 25 В ±10 %", Отклонение="±10 %", Производитель="YAGEO Corp.", Рабочие температуры="от –55 °С до +125 °С", Температурный коэффициент емкости=X7R, Фамилия=Ларионов
C26 C27: library part c0124, "=Описание", HelpURL=https://www.yageo.com/upload/media/product/productsearch/datasheet/mlcc/UPY-GPHC_X7R_6.3V-to-50V_20.pdf, ID=c0124, Корпус=0603, Наименование=CC0603KRX7R6BB225, Напряжение="10 В", Номинал="2,2 мк", Номинальное напряжение="10 В", Описание="Конденсатор керамический чип 0603 2,2 мкФ 10 В ±10 %", Отклонение="±10 %", Производитель="YAGEO Corp.", Рабочие температуры="от –55 °С до +125 °С", Температурный коэффициент емкости=X7R, Фамилия=Чернов
DD1: library part dd0014, "=Описание", HelpURL=https://www.ti.com/product/MAX232, ID=dd0014, Корпус=SOIC-16, Наименование=MAX232DW, Описание="Приемопередатчик RS-232", Производитель="Texas Instruments Inc.", Рабочие температуры="от 0 до +70 °C", Фамилия=Паньков
DD2 DD4: library part dd0017, "=Описание", HelpURL=https://www.ti.com/product/TLV62130, ID=dd0017, Входное напряжение="от 3,0 В до 17 В", Выходное напряжение="от 0,9 до 5,25 В", Коммутируемый ток="до 3,0 А", Корпус=WQFN-16, Наименование=TLV62130ARGTT, Описание="Понижающий преобразователь напряжения 3,0…17 В / 0,9…5,25 В и 3,0 А", Производитель="Texas Instruments Inc.", Рабочие температуры="от –40 °С до +85 °С", Фамилия=Самарин, Частота переключения="от 1,25 МГц до 2,5 МГц"
DD3: library part dd0004, "=Описание", HelpURL=https://www.st.com/en/microcontrollers-microprocessors/stm32f429vi.html, ID=dd0004, Корпус=LQFP-100, Максимальная тактовая частота="180 МГц", Наименование=STM32F429VIT6, Описание="ARM Cortex-M4 32-разрядный микроконтроллер 180 МГц 2 Мбайт FLASH-памяти", Поддерживаемые интерфейсы="CAN, I2C, SAI, I2S/SPI, UART/USART, USB", Производитель=STMicroelectronics, Рабочее напряжение="от 1,7 В до 3,6 В", Рабочие температуры="от –40 °С до +85 °С", Фамилия=Кондратченко
HG1 HG2: library part hg0001, "=Описание", HelpURL=http://www.jhdlcd.com.cn/162character/22-16.html, ID=hg0001, Наименование="JHD162G B/W", Описание="Жидкокристаллический дисплей 16x2 символов белый/синий", Производитель="Shenzhen Jing Handa Electronics Co. Ltd", Рабочее напряжение="от 4,5 В до 5,5 В", Рабочие температуры="от –20 °С до +70 °С", Фамилия=Игнатова
HL1: library part hl0001, "=Описание", HelpURL=https://www.vishay.com/leds/list/product-83172/, ID=hl0001, Корпус=0603, Наименование=TLMS1000-GS08, Номинальная длина волны="628 нм", Номинальная сила света="4 мкд", Номинальное падение напряжения="1,8 В", Номинальный прямой ток="15 мА", Описание="Светодиод чип 0603 красный", Производитель="Vishay Intertechnology, Inc.", Рабочие температуры="от –40 °С до +100 °С", Рассеиваемая мощность="40 мВт", Фамилия=Ларионов, Цвет=Красный
L1 L2: library part l0002, "=Описание", HelpURL=https://www.coilcraft.com/en-us/products/power/shielded-inductors/molded-inductor/xfl/xfl4020/, ID=l0002, Индуктивность="2,2 мкГн", Корпус="4,0 x 4,0 x 2,1", Максимальное активное сопротивление="23,5 мОм", Наименование=XFL4020-222MEC, Номинал="2,2 мкГн", Номинальное активное сопротивление="21,35 мОм", Номинальный ток (при нагреве на 20 °С/40 °С)="6 А", Описание="Катушка индуктивности 2,2 мкГн ±20 %", Отклонение="±20 %", Производитель="Coilcraft, Inc.", Рабочее напряжение="от 0 В до 20 В", Рабочие температуры="от –40 °С до +125 °С", Резонансная частота="38 МГц", Ток насыщения="3,5 А", Фамилия=Ларионов
L3: library part l0004, "=Описание", HelpURL=https://www.tai-tech.com.tw/en/product?mcls=&cls=1489980553&cls2=1490267380&cls3=&pid=1491959545, ID=l0004, Корпус=0603, Наименование=FCM1608KF-601T03, Описание="Ферритовая бусина 600 Ом ±25 %", Отклонение, 100 МГц="±25 %", Производитель="TAI-TECH Advanced Electronics Co., Ltd.", Рабочие температуры="от –55 °С до +125 °С", Сопротивление, 100 МГц="600 Ом", Сопротивление при постоянном токе="0,5 Ом", Фамилия=Игнатова
R1: library part r0073, "=Описание", HelpURL=https://www.yageo.com/upload/media/product/productsearch/datasheet/rchip/PYu-RC_Group_51_RoHS_L_11.pdf, ID=r0073, Корпус=0603, Наименование=RC0603FR-07750RL, Номинал=750, Номинальное напряжение="75 В", Номинальный ток="1 А", Описание="Резистор чип 0603 750 Ом ±1 % 0,1 Вт", Отклонение="±1 %", Примечание="Ряд E24", Производитель="YAGEO Corp.", Рабочие температуры="от –55 °С до +155 °С", Фамилия=Паньков
R2 R4 R5 R6 R7 R8: library part r0034, "=Описание", HelpURL=https://www.yageo.com/upload/media/product/productsearch/datasheet/rchip/PYu-RC_Group_51_RoHS_L_11.pdf, ID=r0034, Корпус=0603, Наименование=RC0603FR-0722RL, Номинал=22, Номинальное напряжение="75 В", Номинальный ток="1 А", Описание="Резистор чип 0603 22 Ом ±1 % 0,1 Вт", Отклонение="±1 %", Примечание="Ряд E24", Производитель="YAGEO Corp.", Рабочие температуры="от –55 °С до +155 °С", Фамилия=Ларионов
R3 R12: library part r0105, "=Описание", HelpURL=https://www.yageo.com/upload/media/product/productsearch/datasheet/rchip/PYu-RC_Group_51_RoHS_L_11.pdf, ID=r0105, Корпус=0603, Наименование=RC0603FR-0710KL, Номинал="10 к", Номинальное напряжение="75 В", Номинальный ток="1 А", Описание="Резистор чип 0603 10 кОм ±1 % 0,1 Вт", Отклонение="±1 %", Примечание="Ряд E24", Производитель="YAGEO Corp.", Рабочие температуры="от –55 °С до +155 °С", Фамилия=Самарин
R9 R13: library part r0141, "=Описание", HelpURL=https://www.yageo.com/upload/media/product/productsearch/datasheet/rchip/PYu-RC_Group_51_RoHS_L_11.pdf, ID=r0141, Корпус=0603, Наименование=RC0603FR-07100KL, Номинал="100 к", Номинальное напряжение="75 В", Номинальный ток="1 А", Описание="Резистор чип 0603 100 кОм ±1 % 0,1 Вт", Отклонение="±1 %", Примечание="Ряд E24", Производитель="YAGEO Corp.", Рабочие температуры="от –55 °С до +155 °С", Фамилия=Водорезов
R10 R14: library part r0172, "=Описание", HelpURL=https://www.yageo.com/upload/media/product/productsearch/datasheet/rchip/PYu-RC_Group_51_RoHS_L_11.pdf, ID=r0172, Корпус=0603, Наименование=RC0603FR-07910KL, Номинал="910 к", Номинальное напряжение="75 В", Номинальный ток="1 А", Описание="Резистор чип 0603 910 кОм ±1 % 0,1 Вт", Отклонение="±1 %", Примечание="Ряд E24", Производитель="YAGEO Corp.", Рабочие температуры="от –55 °С до +155 °С", Фамилия=Паньков
R11 R15: library part r0152, "=Описание", HelpURL=https://www.yageo.com/upload/media/product/productsearch/datasheet/rchip/PYu-RC_Group_51_RoHS_L_11.pdf, ID=r0152, Корпус=0603, Наименование=RC0603FR-07180KL, Номинал="180 к", Номинальное напряжение="75 В", Номинальный ток="1 А", Описание="Резистор чип 0603 180 кОм ±1 % 0,1 Вт", Отклонение="±1 %", Примечание="Ряд E24", Производитель="YAGEO Corp.", Рабочие температуры="от –55 °С до +155 °С", Фамилия=Паньков
R16 R17: library part r0070, "=Описание", HelpURL=https://www.yageo.com/upload/media/product/productsearch/datasheet/rchip/PYu-RC_Group_51_RoHS_L_11.pdf, ID=r0070, Корпус=0603, Наименование=RC0603FR-07560RL, Номинал=560, Номинальное напряжение="75 В", Номинальный ток="1 А", Описание="Резистор чип 0603 560 Ом ±1 % 0,1 Вт", Отклонение="±1 %", Примечание="Ряд E24", Производитель="YAGEO Corp.", Рабочие температуры="от –55 °С до +155 °С", Фамилия=Паньков
R18 R19: library part r0205, "=Описание", ID=r0205, Корпус=3362, Наименование=3362P-1-103LF, Номинал=10к, Номинальное напряжение="не указано", Номинальный ток="не указано", Описание="Подстроечный потенциометр 10кОм ±1 % 0,5 Вт", Отклонение="±1 %", Производитель=Bourns, Рабочие температуры="от –55 °С до +155 °С", Фамилия=Кондратченко
S1: library part s0001, "=Описание", HelpURL=https://www.te.com/usa-en/product-4-1437565-1.html, ID=s0001, Количество контактов=4, Корпус="6,00 x 6,00 x 4,98", Наименование=FSM4JSMA, Описание="Тактовая кнопка поверхностного монтажа", Производитель="TE Connectivity", Промывка=Запрещена, Рабочие температуры="от –35 °С до +85 °С", Сопротивление контакта="100 мОм", Ток нагрузки="50 мА @ 24 В", Фамилия=Паньков
VD1 VD2: library part vd0004, "=Описание", HelpURL=https://www.littelfuse.com/products/tvs-diode-arrays/general-purpose-esd-protection/sdc/sd12c_01ftg.aspx, ID=vd0004, Корпус=SOD-323, Наименование=SD12C-01FTG, Описание="Двунаправленная диодная сборка для подавления помех 12 В", Производитель="Littelfuse, Inc.", Фамилия=Ларионов
VD3: library part vd0001, "=Описание", HelpURL=https://www.onsemi.com/products/discretes-drivers/diodes-rectifiers/schottky-diodes-schottky-rectifiers/mbr0530t1g, ID=vd0001, Корпус=SOD-123, Максимальное обратное напряжение="30 В", Максимальное прямое напряжение="0,43 В", Максимальный прямой ток="0,5 А", Наименование=MBR0530T1G, Описание="Диод Шоттки 30 В 0,5 А", Производитель="ON Semiconductor", Рабочие температуры="от –65 °С до +125 °С", Фамилия=Шкабара
VD4: library part vd0009, "=Описание", HelpURL=https://www.littelfuse.com/products/tvs-diodes/surface-mount/1_5smc.aspx, ID=vd0009, Корпус=DO-214AB, Наименование=1.5SMC62CA, Описание="Двунаправленная диодная сборка для подавления помех 53 В", Производитель="Littelfuse, Inc.", Фамилия=Ларионов
VD5: library part vd0002, "=Описание", HelpURL=https://www.onsemi.com/products/discretes-drivers/diodes-rectifiers/schottky-diodes-schottky-rectifiers/mbr140sf, ID=vd0002, Корпус=SOD-123FL, Максимальное обратное напряжение="40 В", Максимальное прямое напряжение="0,88 В", Максимальный прямой ток="1 А", Наименование=MBR140SFT1G, Описание="Диод Шоттки 40 В 1 А", Производитель="ON Semiconductor", Рабочие температуры="от –55 °С до +125 °С", Фамилия=Паньков
VD6 VD7: library part vd0016, "=Описание", HelpURL=https://www.ti.com/product/TPD2S017, ID=vd0016, Корпус=SOT-23-6, Наименование=TPD2S017DBVR, Описание="Диодная сборка для подавления помех 5 В", Производитель="Texas Instruments Inc.", Фамилия=Паньков
X1 X3: library part x0006, "=Описание", Contact_4=GND, HelpURL=https://www.te.com/usa-en/product-4-1775099-0.html, ID=x0006, Наименование=4-1775099-0, Описание="ATX Power 4 pin гнездо прямой", Производитель="TE Connectivity", Фамилия=Ларионов
  X1: Contact_1=+12V, Contact_2=+12V, Contact_3=GND
  X3: Contact_1=GND, Contact_2=TX, Contact_3=RX
X2: library part x0022, "=Описание", Contact_1=VDD, Contact_2=SWCLK, Contact_3=GND, Contact_4=SWDIO, Contact_5=nRST, Contact_6=SWO, HelpURL=http://en.connfly.group/product/xVkr=EusQssAN0gN=Aos=mU+UrVkR9kqEAN0gN9g+Upc+NB+A, ID=x0022, Наименование=DS1013-06SSiB1-B-0, Описание="Box Header 6 pin 2,54 мм вилка прямой", Производитель="Connfly Electronic Co., Ltd.", Фамилия=Паньков

## Free pads (board coordinates)
  round 6 hole 3.5: 1(54,99) 2(54,136) 3(54,146.5) 4(54,183.5) 5(169,183.5) 6(169,146.5) 7(169,136) 8(169,98.9)

## Via types
v1: diameter 0.6, hole 0.3, Top Layer to Bottom Layer, tented both sides, 1579 vias

## Nets (pads, with @x,y where several pads share a name; then routed paths per layer and width w, separated by ;. In a path a pad name is that pad's centre, name@x,y a point inside that pad or via, vN(x,y) a via of type N, cw(c..) or ccw(c..) an arc to the next point about the centre after c; other vN are vias at no path point)
+3.3V: C10.1 C16.1 C17.1 C18.1 C19.1 C20.1 C22.1 C23.1 C24.1 DD2.14 DD3.6 DD3.11 DD3.19 DD3.28 DD3.50 DD3.75 DD3.100 L1.2 L3.1 R9.2 R10.2 VD5.2 VD6.5 VD7.5 | length 60.6
  Bottom Layer w0.2: C10.1@112.2,85.1 116.2,85.1 L1.2@116.3,85 116.4,84.9 122.1,84.9 122.65,84.35 R9.2@122.65,82.7 R10.2@122.65,80.7 v1@123.9,80.7 ; v1(114.55,77.75) DD2.14@115.6,77.75 ; C17.1@132.7,99.5 133.9,99.5 134.75,98.65 DD3.75@136.25,98.65 137.85,98.65 v1(138.3,98.2) ; C16.1@137.5,79.7 137.475,79.725 137.475,81.875 C18.1@137.45,81.9 137.45,83.15 138,83.7 DD3.50@138,84.9 v1(138,86.7) ; VD5.2@138.3,70.2 v1(139.8,70.2) ; VD6.5@145.5,70.6 v1(145.5,71.9) ; C22.1@148.4,82.5 148.4,83.4 149,84 DD3.28@149,84.9 149,86 v1(148.5,86.5) ; v1(150,94.1) 150.45,93.65 DD3.11@151.75,93.65 153.05,93.65 154.25,94.85 C20.1@154.25,94.9 154.225,94.925 154.225,96.875 C24.1@154.2,96.9 154,96.7 153.5,96.7 152.9,96.1 152.675,96.1 152.65,96.125 151.775,96.125 DD3.6@151.75,96.15 ; v1(150,99) DD3.100@150,100.4 150,101.9 150.2,102.1 C23.1@150.2,103.1 ; v1@150.1,90.3 v1(150.2,90.2) 150.75,89.65 DD3.19@151.75,89.65 152.85,89.65 153.5,89 154.1,89 C19.1@154.2,88.9 154.2,88.2 154.7,87.7 155.5,87.7 155.7,87.5 L3.1@155.7,86.6 ; VD7.5@155.2,70.5 v1(155.2,71.7)
  other v1: 123.9,80.7
+5V: C8.1 C9.1 C15.2 DD1.16 DD4.14 HG1.2 HG2.2 L2.2 R13.2 R14.2 R16.1 R17.1 R18.1 R19.1 | length 39.6
  Top Layer w0.2: v1(80.675,67.325) R18.1@80.675,69.5 ; R19.1@85.475,69.5 85.5,69.475 v1(85.5,67.3)
  Bottom Layer w0.2: C8.1@59.2,74.6 C9.1@62.9,74.6 66.205,74.6 DD1.16@66.355,74.75 v1(66.355,76.855) ; v1(90.2,71.35) DD4.14@91.4,71.35 ; HG2.2@91.96,98 91.96,99.66 94.25,101.95 R16.1@94.25,102 v1(94.25,103.75) ; HG1.2@91.96,145.5 91.96,149.36 R17.1@92.1,149.5 v1(92.1,152.6) ; v1(92.4,76.9) L2.2@93.7,76.9 94.3,76.3 97,76.3 97.45,75.85 ; R14.2@97.45,73.2 R13.2@97.45,75.1 97.45,75.85 ; C15.2@99.1,77.8 99.1,77.4 98.171,76.471 98.071,76.471 97.45,75.85
+12V: C1.1 C3.1 C11.1 C12.1 DD2.10 DD2.11 DD2.12 DD2.13 DD4.10 DD4.11 DD4.12 DD4.13 VD3.1 VD4.2 X1.1 X1.2
CONN_nRST: R7.1 X2.5 | length 10.4
  Bottom Layer w0.2: X2.5@152.8,55.8 152.9,55.9 154.383,55.9 154.5,56.017 154.5,59.9 156.3,61.7 R7.1@156.3,63.9
CONN_SWCLK: R5.1 X2.2 | length 7.8
  Top Layer w0.2: v1(145.4,60) 145.4,61.2 v1(146.6,62.4)
  Bottom Layer w0.2: v1(145.4,60) 145.4,59.161 146.221,58.34 X2.2@147.72,58.34 ; v1(146.6,62.4) R5.1@146.6,63.8
CONN_SWDIO: R6.1 X2.4 | length 10.4
  Bottom Layer w0.2: R6.1@144.6,63.8 144.6,61.65 145.5,60.75 150,60.75 150.26,60.49 X2.4@150.26,58.34
CONN_SWO: R8.2 X2.6 | length 6.2
  Bottom Layer w0.2: X2.6@152.8,58.34 152.8,60.4 154.4,62 R8.2@154.4,63.9